# KiCad board gmsl-serializer.kicad_pcb
title: GMSL Serializer; date: 2024-11-27; rev: 1.1.1; company: Antmicro Ltd; note: www.antmicro.com
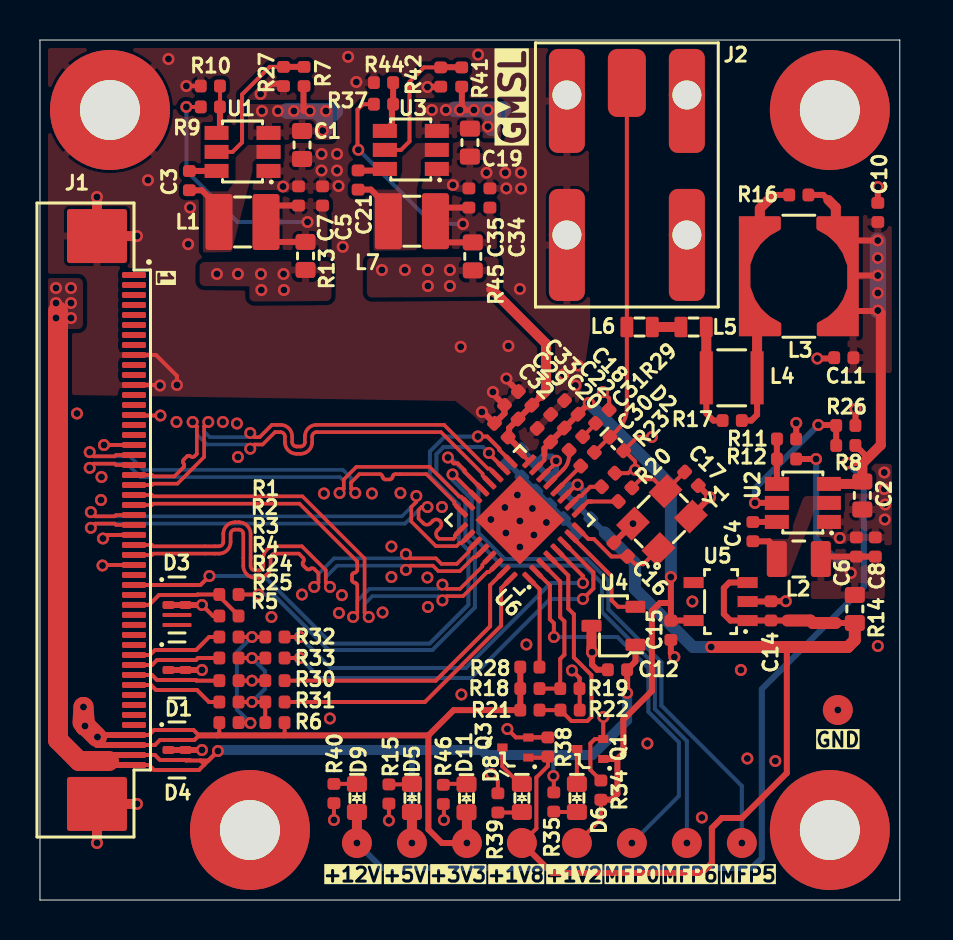
[diagram p0: board, top side]
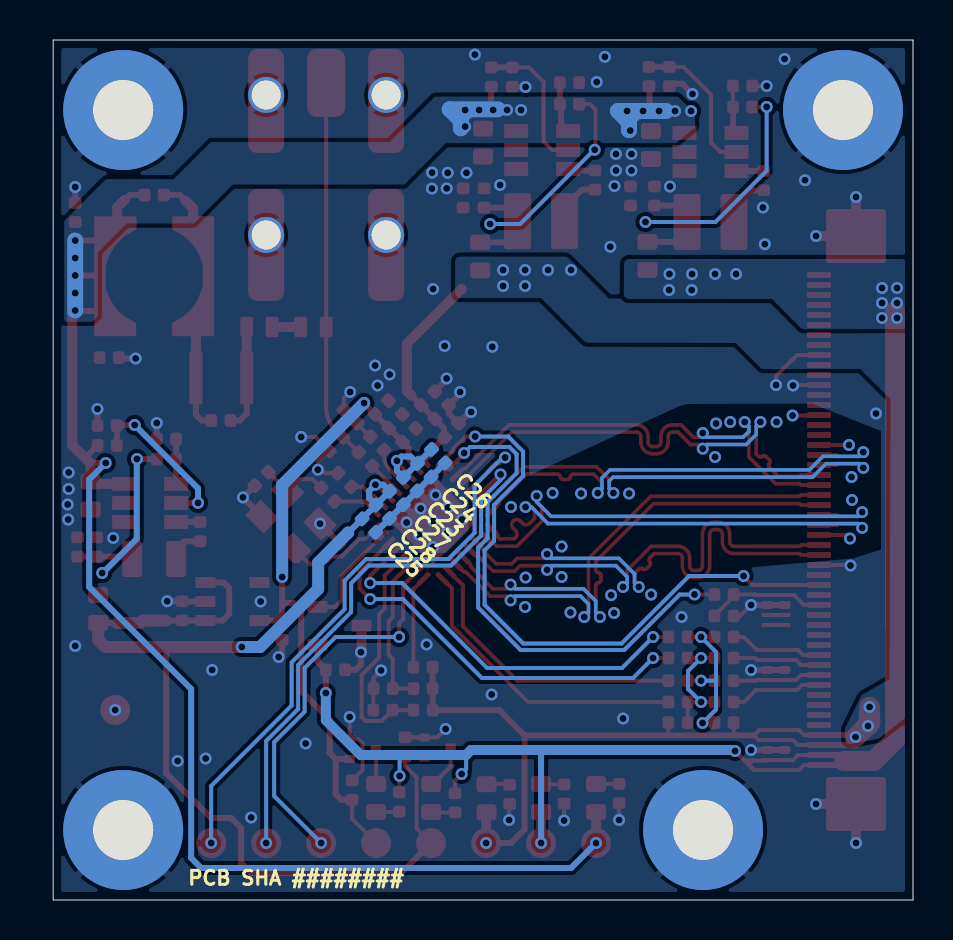
[diagram p1: board, bottom side, seen from below]

Outline 43 x 43 mm; copper layers: Top, In1.Cu (plane), In2.Cu (plane), Bottom. Coordinates in mm from the lower left corner of the outline.
Outline path: 0,43 43,43 43,0 0,0 0,43
Stack: Top 0.018mm / dielectric 0.12mm IS400 PR2116 er 4.06 / In1.Cu 0.035mm / dielectric 1.2mm FR-4 er 4.35 / In2.Cu 0.035mm / dielectric 0.12mm IS400 PR2116 er 4.06 / Bottom 0.018mm

## Placement (name value [footprint] x y rotation side)
C1  C_10u_25V_0603  [C_0603_1608Metric]  13.1 37.75 90 top
C2  C_10u_25V_0603  [C_0603_1608Metric]  41.12 20.22 90 top
C3  C_220n_0402  [C_0402_1005Metric]  7.47 35.97 270 top
C4  C_100n_0402  [C_0402_1005Metric]  35.65 18.42 270 top
C5  C_22u_0402  [C_0402_1005Metric]  14.13 35.2 270 top
C6  C_22u_0402  [C_0402_1005Metric]  40.82 17.65 270 top
C7  C_22u_0402  [C_0402_1005Metric]  12.93 35.2 270 top
C8  C_22u_0402  [C_0402_1005Metric]  41.78 17.65 270 top
C10  C_100n_0402  [C_0402_1005Metric]  41.9 34.38 270 top
C11  C_10n_0402  [C_0402_1005Metric]  40.2 27.11 0 top
C12  C_1u_16V_0402  [C_0402_1005Metric]  28.88 11.51 0 top  (not fitted)
C14  C_1u_16V_0402  [C_0402_1005Metric]  36.56 14.46 270 top
C15  C_1u_16V_0402  [C_0402_1005Metric]  31.55 13.49 90 top
C16  C_33p_0402  [C_0402_1005Metric]  29.04 17.52 315 top
C17  C_33p_0402  [C_0402_1005Metric]  32.58 21.06 135 top
C18  C_10u_0402  [C_0402_1005Metric]  26.57 24.63 315 top
C19  C_10u_25V_0603  [C_0603_1608Metric]  21.5 37.87 90 top
C20  C_100n_0402  [C_0402_1005Metric]  25.2 23.24 315 top
C21  C_220n_0402  [C_0402_1005Metric]  15.91 36 270 top
C22  C_100n_0402  [C_0402_1005Metric]  25.88 23.94 315 top
C23  C_10n_0402  [C_0402_1005Metric]  25.14 20.79 45 bottom
C24  C_100n_0402  [C_0402_1005Metric]  24.44 21.49 45 bottom
C25  C_10u_0402  [C_0402_1005Metric]  27.21 18.72 45 bottom
C26  C_10u_0402  [C_0402_1005Metric]  23.74 22.19 45 bottom
C27  C_10n_0402  [C_0402_1005Metric]  25.83 20.1 45 bottom
C28  C_10n_0402  [C_0402_1005Metric]  26.52 19.41 45 bottom
C29  C_10n_0402  [C_0402_1005Metric]  23.57 24.39 315 top
C30  C_100n_0402  [C_0402_1005Metric]  27.38 22.04 45 top
C31  C_100n_0402  [C_0402_1005Metric]  26.8 22.82 45 top
C32  C_10n_0402  [C_0402_1005Metric]  23.07 23.49 315 top
C33  C_10u_0402  [C_0402_1005Metric]  24.26 25.08 315 top
C34  C_22u_0402  [C_0402_1005Metric]  22.5 35.1 270 top
C35  C_22u_0402  [C_0402_1005Metric]  21.45 35.1 270 top
D1  PESD4USB5U-TTS  [DFN-10_2.5x1mm]  6.85 11.5 0 top
D2  AXGD10402KR  [D_0402_1005Metric]  28.85 22.8 315 top
D3  PESD4USB5U-TTS  [DFN-10_2.5x1mm]  6.85 14.75 0 top
D4  PESD4USB5U-TTS  [DFN-10_2.5x1mm]  6.85 7.5 0 top
D5  LED_G_0603_LTST-C190GKT  [LED_0603_1608Metric_G]  18.6 5.1 270 top
D6  LED_G_0603_LTST-C190GKT  [LED_0603_1608Metric_G]  26.85 5.1 270 top
D8  LED_G_0603_LTST-C190GKT  [LED_0603_1608Metric_G]  24.1 5.1 270 top
D9  LED_G_0603_LTST-C190GKT  [LED_0603_1608Metric_G]  15.85 5.1 270 top
D11  LED_G_0603_LTST-C190GKT  [LED_0603_1608Metric_G]  21.33 5.09 270 top
J1  Conn_FFC_WE_68715014022  [Conn_FFC_WE_68715014x22]  2.55 19 270 top
J2  -  [Conn_FAKRA_59S2AQ-40MT5-Z_1]  29.35 40.85 0 top
L1  L_3u3_3.1A_Bourns-SRP3212A  [L_Bourns-SRP3212A]  10.13 33.9 0 top
L2  L_1u_2.6A_0806  [L_0806_2016Metric]  37.95 17.05 0 top
L3  L_22u_1.12A_Coilcraft-MSS6132T  [L_Coilcraft-MSS6132T]  37.95 31.19 180 top
L4  L_6u8_1A_Coilcraft-1210POC  [L_Coilcraft-1210POC]  34.59 26.11 180 top
L5  L_470n_1A_Coilcraft-PFL1609  [L_Coilcraft-PFL1609]  32.69 28.65 180 top
L6  L_470n_1A_Coilcraft-PFL1609  [L_Coilcraft-PFL1609]  29.98 28.65 180 top
L7  L_3u3_3.1A_Bourns-SRP3212A  [L_Bourns-SRP3212A]  18.6 33.94 0 top
MP1  -  [MP_Pad6mm_Drill3mm]  39.5 3.5 0 top
MP2  -  [MP_Pad6mm_Drill3mm]  39.5 39.5 0 top
MP3  -  [MP_Pad6mm_Drill3mm]  10.5 3.5 0 top
MP4  -  [MP_Pad6mm_Drill3mm]  3.5 39.5 0 top
N1  antmicro_logo  [antmicro-logo_scaled_12mm_mask]  12.97 28.19 0 top
Q1  DMG1012T-7  [SOT-523]  27.52 7.55 90 top
Q3  DMG1012T-7  [SOT-523]  23.78 7.62 90 top
R1  R_10k_0402  [R_0402_1005Metric]  9.45 15.28 0 top
R2  R_12k_0402  [R_0402_1005Metric]  9.45 14.2 180 top
R3  R_100R_0402  [R_0402_1005Metric]  9.45 13.15 0 top
R4  R_100R_0402  [R_0402_1005Metric]  9.45 12.1 0 top
R5  R_4k7_0402  [R_0402_1005Metric]  9.45 8.87 180 top
R6  R_4k7_0402  [R_0402_1005Metric]  11.75 8.87 0 top
R7  R_10k_0402  [R_0402_1005Metric]  13.2 41.17 270 top
R8  R_10k_0402  [R_0402_1005Metric]  40.3 22.72 0 top
R9  R_52k3_0402  [R_0402_1005Metric]  8.52 39.65 180 top
R10  R_10k_0402  [R_0402_1005Metric]  8.52 40.7 0 top
R11  R_12k4_0402  [R_0402_1005Metric]  37.34 22.05 0 top
R12  R_10k_0402  [R_0402_1005Metric]  37.34 23.05 180 top
R13  R_0R_22.4A_0603  [R_0603_1608Metric]  13.28 32.2 270 top
R14  R_0R_22.4A_0603  [R_0603_1608Metric]  40.75 14.55 270 top
R15  R_470R_0402  [R_0402_1005Metric]  17.45 5.3 90 top
R16  R_5k1_0402  [R_0402_1005Metric]  37.95 35.25 180 top
R17  R_5k1_0402  [R_0402_1005Metric]  34.62 23.97 180 top
R18  R_80k6_0402  [R_0402_1005Metric]  24.5 10.57 180 top  (not fitted)
R19  R_10k_0402  [R_0402_1005Metric]  26.5 10.57 180 top
R20  R_0R_0402  [R_0402_1005Metric]  29.26 20.27 225 top
R21  R_10k_0402  [R_0402_1005Metric]  24.5 9.49 180 top
R22  R_10k_0402  [R_0402_1005Metric]  26.51 9.49 180 top  (not fitted)
R23  R_402R_0402  [R_0402_1005Metric]  28.42 21 225 top
R24  R_100R_0402  [R_0402_1005Metric]  9.45 10.97 0 top
R25  R_100R_0402  [R_0402_1005Metric]  9.45 9.9 0 top
R26  R_10k_0402  [R_0402_1005Metric]  40.3 23.72 180 top
R27  R_10k_0402  [R_0402_1005Metric]  12.18 41.17 90 top
R28  R_10k_0402  [R_0402_1005Metric]  24.5 11.64 180 top
R29  R_51R_0402  [R_0402_1005Metric]  28.12 24.17 225 top
R30  R_0R_0402  [R_0402_1005Metric]  11.75 10.97 0 top  (not fitted)
R31  R_0R_0402  [R_0402_1005Metric]  11.75 9.9 0 top  (not fitted)
R32  R_0R_0402  [R_0402_1005Metric]  11.75 13.15 0 top
R33  R_0R_0402  [R_0402_1005Metric]  11.75 12.1 0 top
R34  R_100k_0402  [R_0402_1005Metric]  28.05 5.49 270 top
R35  R_470R_0402  [R_0402_1005Metric]  25.69 4.9 90 top
R37  R_31k6_0402  [R_0402_1005Metric]  17.18 39.79 180 top
R38  R_100k_0402  [R_0402_1005Metric]  25.4 7.65 270 top
R39  R_470R_0402  [R_0402_1005Metric]  22.9 4.85 90 top
R40  R_1k65_0402  [R_0402_1005Metric]  14.7 5.32 90 top
R41  R_10k_0402  [R_0402_1005Metric]  21.09 41.15 270 top
R42  R_10k_0402  [R_0402_1005Metric]  20.04 41.15 90 top
R44  R_10k_0402  [R_0402_1005Metric]  17.18 40.87 0 top
R45  R_0R_22.4A_0603  [R_0603_1608Metric]  21.64 32.18 270 top
R46  R_200R_0402  [R_0402_1005Metric]  20.17 5.28 90 top
TP1  TP_1.5mm_SMD  [TP_SMD_1.5mm]  18.6 2.85 0 top
TP2  TP_1.5mm_SMD  [TP_SMD_1.5mm]  24.1 2.85 0 top
TP3  TP_1.5mm_SMD  [TP_SMD_1.5mm]  15.85 2.85 180 top
TP4  TP_1.5mm_SMD  [TP_SMD_1.5mm]  21.35 2.85 0 top
TP5  TP_1.5mm_SMD  [TP_SMD_1.5mm]  26.85 2.85 0 top
TP6  TP_1.5mm_SMD  [TP_SMD_1.5mm]  29.6 2.85 0 top
TP7  TP_1.5mm_SMD  [TP_SMD_1.5mm]  35.1 2.85 0 top
TP8  TP_1.5mm_SMD  [TP_SMD_1.5mm]  32.35 2.85 0 top
TP9  TP_1.5mm_SMD  [TP_SMD_1.5mm]  39.9 9.5 0 top
U1  AP62301_TSOT  [TSOT23-6]  10.13 37.4 180 top
U2  AP62301_TSOT  [TSOT23-6]  38.15 19.85 180 top
U3  AP62301_TSOT  [TSOT23-6]  18.54 37.5 180 top
U4  REF3012AIDBZT  [SOT-23-3]  28.68 13.71 180 top  (not fitted)
U5  TLV73312PDBVT  [SOT-23-5]  34.04 14.92 180 top
U6  MAX96717GTJ_VY+  [TQFN-32-1EP_5x5mm_P0.5mm]  24 19 135 top
Y1  Resonator_25MHz_ABM8G  [Resonator_SMD_Abracon_ABM8G_3.2x2.5mm]  31.04 19 45 top

## Library data of the parts
C1 = -: Datasheet: https://product.tdk.com/en/search/capacitor/ceramic/mlcc/info?part_no=C1608X5R1E106M080AC; Author: Antmicro; License: Apache-2.0; MPN: C1608X5R1E106M080AC; Manufacturer: TDK; Val: 10u; Voltage: 25V; Field11: Author: Antmicro; Field13: License: Apache-2.0
C2 = -: Datasheet: https://product.tdk.com/en/search/capacitor/ceramic/mlcc/info?part_no=C1608X5R1E106M080AC; Author: Antmicro; License: Apache-2.0; MPN: C1608X5R1E106M080AC; Manufacturer: TDK; Val: 10u; Voltage: 25V; Field11: Author: Antmicro; Field12: License: Apache-2.0
C3 = -: Datasheet: https://www.yageo.com/en/Chart/Download/pdf/CC0402KRX5R6BB224; Author: Antmicro; License: Apache-2.0; MPN: CC0402KRX5R6BB224; Manufacturer: YAGEO; Val: 220n; Field11: Author: Antmicro; Field13: License: Apache-2.0
C4 C10 = -: Datasheet: https://www.murata.com/products/productdetail?partno=GRM155R61H104KE14%23; Author: Antmicro; Dielectric: X5R; License: Apache-2.0; MPN: GRM155R61H104KE14D; Manufacturer: Murata; Val: 100n; Voltage: 50V; Field11: Author: Antmicro; Field13: License: Apache-2.0
C5 = -: Datasheet: https://www.murata.com/products/productdetail?partno=GRM158R60J226ME01%23; Author: Antmicro; License: Apache-2.0; MPN: GRM158R60J226ME01D; Manufacturer: Murata; Val: 22u; Field11: License: Apache-2.0; Field12: Author: Antmicro
C6 C8 = -: Datasheet: https://www.murata.com/products/productdetail?partno=GRM158R60J226ME01%23; Author: Antmicro; License: Apache-2.0; MPN: GRM158R60J226ME01D; Manufacturer: Murata; Val: 22u; Field11: License: Apache-2.0; Field13: Author: Antmicro
C7 = -: Datasheet: https://www.murata.com/products/productdetail?partno=GRM158R60J226ME01%23; Author: Antmicro; License: Apache-2.0; MPN: GRM158R60J226ME01D; Manufacturer: Murata; Val: 22u; Field11: Author: Antmicro; Field12: License: Apache-2.0
C11 C29 = -: Datasheet: https://www.murata.com/products/productdetail?partno=GRM155R71H103KA88%23; Author: Antmicro; Dielectric: X7R; License: Apache-2.0; MPN: GRM155R71H103KA88D; Manufacturer: Murata; Val: 10n; Voltage: 50V; Field11: License: Apache-2.0; Field13: Author: Antmicro
C12 C15 = -: Datasheet: https://www.kemet.com/en/us/capacitors/product/C0402C105M4PACTU.html; Author: Antmicro; License: Apache-2.0; MPN: C0402C105M4PACTU; Manufacturer: KEMET; Val: 1u; Voltage: 16V; Field12: License: Apache-2.0; Field13: Author: Antmicro
C14 = -: Datasheet: https://www.kemet.com/en/us/capacitors/product/C0402C105M4PACTU.html; Author: Antmicro; License: Apache-2.0; MPN: C0402C105M4PACTU; Manufacturer: KEMET; Val: 1u; Voltage: 16V; Field12: Author: Antmicro; Field13: License: Apache-2.0
C16 = -: Datasheet: https://spicat.kyocera-avx.com/product/mlcc/chartview/04025A330FAT2A/; Author: Antmicro; License: Apache-2.0; MPN: 04025A330FAT2A; Manufacturer: KYOCERA AVX; Val: 33p; Field11: License: Apache-2.0; Field13: Author: Antmicro
C17 = -: Datasheet: https://spicat.kyocera-avx.com/product/mlcc/chartview/04025A330FAT2A/; Author: Antmicro; License: Apache-2.0; MPN: 04025A330FAT2A; Manufacturer: KYOCERA AVX; Val: 33p; Field11: Author: Antmicro; Field12: License: Apache-2.0
C18 C26 C33 = -: Datasheet: https://www.yageo.com/en/Chart/Download/pdf/CC0402MRX5R5BB106; Author: Antmicro; License: Apache-2.0; MPN: CC0402MRX5R5BB106; Manufacturer: YAGEO; Val: 10u; Field12: License: Apache-2.0; Field13: Author: Antmicro
C19 = -: Datasheet: https://product.tdk.com/en/search/capacitor/ceramic/mlcc/info?part_no=C1608X5R1E106M080AC; MPN: C1608X5R1E106M080AC; Manufacturer: TDK; License: Apache-2.0; Author: Antmicro; Val: 10u; Voltage: 25V; Field11: Author: Antmicro; Field12: License: Apache-2.0
C20 C22 C24 = -: Datasheet: https://www.murata.com/products/productdetail?partno=GRM155R61H104KE14%23; Author: Antmicro; Dielectric: X5R; License: Apache-2.0; MPN: GRM155R61H104KE14D; Manufacturer: Murata; Val: 100n; Voltage: 50V; Field11: Author: Antmicro; Field12: License: Apache-2.0
C21 = -: Datasheet: https://www.yageo.com/en/Chart/Download/pdf/CC0402KRX5R6BB224; MPN: CC0402KRX5R6BB224; Manufacturer: YAGEO; License: Apache-2.0; Author: Antmicro; Val: 220n; Field11: License: Apache-2.0; Field13: Author: Antmicro
C23 = -: Datasheet: https://www.murata.com/products/productdetail?partno=GRM155R71H103KA88%23; Author: Antmicro; Dielectric: X7R; License: Apache-2.0; MPN: GRM155R71H103KA88D; Manufacturer: Murata; Val: 10n; Voltage: 50V; Field12: Author: Antmicro; Field13: License: Apache-2.0
C25 = -: Datasheet: https://www.yageo.com/en/Chart/Download/pdf/CC0402MRX5R5BB106; Author: Antmicro; License: Apache-2.0; MPN: CC0402MRX5R5BB106; Manufacturer: YAGEO; Val: 10u; Field12: Author: Antmicro; Field13: License: Apache-2.0
C27 C28 = -: Datasheet: https://www.murata.com/products/productdetail?partno=GRM155R71H103KA88%23; Author: Antmicro; Dielectric: X7R; License: Apache-2.0; MPN: GRM155R71H103KA88D; Manufacturer: Murata; Val: 10n; Voltage: 50V; Field12: License: Apache-2.0; Field13: Author: Antmicro
C30 C31 = -: Datasheet: https://www.murata.com/products/productdetail?partno=GRM155R61H104KE14%23; Author: Antmicro; Dielectric: X5R; License: Apache-2.0; MPN: GRM155R61H104KE14D; Manufacturer: Murata; Val: 100n; Voltage: 50V; Field12: Author: Antmicro; Field13: License: Apache-2.0
C32 = -: Datasheet: https://www.murata.com/products/productdetail?partno=GRM155R71H103KA88%23; Author: Antmicro; Dielectric: X7R; License: Apache-2.0; MPN: GRM155R71H103KA88D; Manufacturer: Murata; Val: 10n; Voltage: 50V; Field11: License: Apache-2.0; Field12: Author: Antmicro
C34 = -: Datasheet: https://www.murata.com/products/productdetail?partno=GRM158R60J226ME01%23; MPN: GRM158R60J226ME01D; Manufacturer: Murata; License: Apache-2.0; Author: Antmicro; Val: 22u; Field11: Author: Antmicro; Field12: License: Apache-2.0
C35 = -: Datasheet: https://www.murata.com/products/productdetail?partno=GRM158R60J226ME01%23; MPN: GRM158R60J226ME01D; Manufacturer: Murata; License: Apache-2.0; Author: Antmicro; Val: 22u; Field11: License: Apache-2.0; Field13: Author: Antmicro
D1 D4 = -: Datasheet: https://assets.nexperia.com/documents/data-sheet/PESD4USB5U-TTS.pdf; Author: Antmicro; License: Apache-2.0; Manufacturer: Nexperia; Field8: License: Apache-2.0; Field9: Author: Antmicro
D2 = -: Datasheet: https://www.littelfuse.com/media?resourcetype=datasheets&itemid=020b2bf2-064c-4ff1-a898-b4ec805b2fea&filename=littelfuse-xtremeguard-axgd-datasheet; Author: Antmicro; License: Apache-2.0; Manufacturer: Littelfuse; Field8: Author: Antmicro; Field10: License: Apache-2.0
D3 = -: Datasheet: https://assets.nexperia.com/documents/data-sheet/PESD4USB5U-TTS.pdf; Author: Antmicro; License: Apache-2.0; Manufacturer: Nexperia; Field8: License: Apache-2.0; Field10: Author: Antmicro
D5 D6 D8 = -: Datasheet: https://media.digikey.com/pdf/Data%20Sheets/Lite-On%20PDFs/LTST-C190GKT.pdf; Author: Antmicro; Color: Green; License: Apache-2.0; MPN: LTST-C190GKT; Manufacturer: Lite-On; VSD_class: LED; Field10: License: Apache-2.0; Field12: Author: Antmicro
D9 = -: Datasheet: https://media.digikey.com/pdf/Data%20Sheets/Lite-On%20PDFs/LTST-C190GKT.pdf; Author: Antmicro; Color: Green; License: Apache-2.0; MPN: LTST-C190GKT; Manufacturer: Lite-On; VSD_class: LED; Field10: Author: Antmicro; Field12: License: Apache-2.0
D11 = -: Datasheet: https://media.digikey.com/pdf/Data%20Sheets/Lite-On%20PDFs/LTST-C190GKT.pdf; MPN: LTST-C190GKT; Manufacturer: Lite-On; Author: Antmicro; License: Apache-2.0; VSD_class: LED; Color: Green; Field10: License: Apache-2.0; Field12: Author: Antmicro
J1 = -: Datasheet: https://www.we-online.com/components/products/datasheet/68715014022.pdf; Author: Antmicro; License: Apache-2.0; MPN: 68715014022; Manufacturer: Würth Elektronik; Field8: License: Apache-2.0; Field10: Author: Antmicro
J2 = -: Datasheet: https://products.rosenberger.com/radio-frequency/connectors/288881/59s2aq-40mt5-z-1-right-angle-plug-pcb-w.-housing; Author: Antmicro; License: Apache-2.0; MPN: 59S2AQ-40MT5-Z_1; Manufacturer: Rosenberger; Field8: Author: Antmicro; Field9: License: Apache-2.0; ki_fp_filters: *BNC* *SMA* *SMB* *SMC* *Cinch*
L1 = -: Datasheet: https://www.mouser.com/datasheet/2/54/SRP3212A-3011944.pdf; Author: Antmicro; IMax: 3.1 A; ISat: 3.4 A; License: Apache-2.0; MPN: SRP3212-3R3M; Manufacturer: Bourns; Size: 3.2x2.5; Val: 3u3/3.1A; Field13: Author: Antmicro; Field14: License: Apache-2.0
L2 = -: Datasheet: https://www.bourns.com/docs/Product-Datasheets/SRP2010.pdf; Author: Antmicro; IMax: 2.6 A; ISat: 2.9 A; License: Apache-2.0; MPN: SRP2010-1R0M; Manufacturer: Bourns; Size: 2.0x1.6; Val: 1u/2.6A; Field12: Author: Antmicro; Field14: License: Apache-2.0
L3 = -: Datasheet: https://www.coilcraft.com/getmedia/d035c9b3-191d-46aa-ab3f-5c1a849157c1/mss6132t.pdf; Author: Antmicro; IMax: 1.45A; ISat: 1.12A; License: Apache-2.0; MPN: MSS6132T-223; Manufacturer: Coilcraft; Size: 6.1x6.1; Val: 22u/1.12A; Field12: Author: Antmicro; Field13: License: Apache-2.0
L4 = -: Datasheet: https://www.coilcraft.com/getmedia/5e8de018-68c5-4442-84ce-d5212c44660c/1210poc.pdf; Author: Antmicro; IMax: 1.36 A; ISat: 1 A; License: Apache-2.0; MPN: 1210POC-682; Manufacturer: Coilcraft; Size: 2.67x3.3; Val: 6u8/1A; Field13: License: Apache-2.0; Field14: Author: Antmicro
L5 = -: Datasheet: https://www.coilcraft.com/getmedia/2f4cd442-d64d-4413-a518-12fcfd03318d/pfl1609.pdf; Author: Antmicro; IMax: 1 A; ISat: 0.99 A; License: Apache-2.0; MPN: PFL1609-471; Manufacturer: Coilcraft; Size: 1.07x1.8; Val: 470n/0.99A; Field12: License: Apache-2.0; Field14: Author: Antmicro
L6 = -: Datasheet: https://www.coilcraft.com/getmedia/2f4cd442-d64d-4413-a518-12fcfd03318d/pfl1609.pdf; Author: Antmicro; IMax: 1 A; ISat: 0.99 A; License: Apache-2.0; MPN: PFL1609-471; Manufacturer: Coilcraft; Size: 1.07x1.8; Val: 470n/0.99A; Field13: Author: Antmicro; Field14: License: Apache-2.0
L7 = -: Datasheet: https://www.mouser.com/datasheet/2/54/SRP3212A-3011944.pdf; Val: 3u3/3.1A; Manufacturer: Bourns; MPN: SRP3212-3R3M; ISat: 3.4 A; IMax: 3.1 A; Size: 3.2x2.5; Author: Antmicro; License: Apache-2.0; Field13: Author: Antmicro; Field14: License: Apache-2.0
MP1 = -: Author: Antmicro; License: Apache-2.0; Field7: License: Apache-2.0; Field8: Author: Antmicro
MP2 MP3 = -: Author: Antmicro; License: Apache-2.0; Field6: License: Apache-2.0; Field7: Author: Antmicro
MP4 = -: Author: Antmicro; License: Apache-2.0; Field7: Author: Antmicro; Field8: License: Apache-2.0
N1 = -: Author: Antmicro; License: Apache-2.0; Field9: G***; Field11: License: Apache-2.0; Field12: Author: Antmicro
Q1 Q3 = -: Datasheet: https://www.diodes.com/assets/Datasheets/ds31783.pdf; Author: Antmicro; License: Apache-2.0; Manufacturer: Diodes Incorporated; Field9: Author: Antmicro; Field11: License: Apache-2.0
R1 R19 = -: Datasheet: https://www.bourns.com/docs/product-datasheets/cr.pdf; Author: Antmicro; License: Apache-2.0; MPN: CR0402-FX-1002GLF; Manufacturer: Bourns; Tolerance: 1%; Val: 10k; Field10: License: Apache-2.0; Field11: Author: Antmicro
R2 = -: Datasheet: https://www.bourns.com/docs/product-datasheets/cr.pdf; Author: Antmicro; License: Apache-2.0; MPN: CR0402-FX-1202GLF; Manufacturer: Bourns; Tolerance: 1%; Val: 12k; Field10: Author: Antmicro; Field11: License: Apache-2.0
R3 = -: Datasheet: https://www.bourns.com/docs/product-datasheets/cr.pdf; Author: Antmicro; License: Apache-2.0; MPN: CR0402-FX-1000GLF; Manufacturer: Bourns; Tolerance: 1%; Val: 100R; Field11: Author: Antmicro; Field12: License: Apache-2.0
R4 = -: Datasheet: https://www.bourns.com/docs/product-datasheets/cr.pdf; Author: Antmicro; License: Apache-2.0; MPN: CR0402-FX-1000GLF; Manufacturer: Bourns; Tolerance: 1%; Val: 100R; Field11: License: Apache-2.0; Field12: Author: Antmicro
R5 R6 = -: Datasheet: https://www.bourns.com/docs/product-datasheets/cr.pdf; Author: Antmicro; License: Apache-2.0; MPN: CR0402-FX-4701GLF; Manufacturer: Bourns; Tolerance: 1%; Val: 4k7; Field10: Author: Antmicro; Field11: License: Apache-2.0
R7 R8 R28 = -: Datasheet: https://www.bourns.com/docs/product-datasheets/cr.pdf; Author: Antmicro; License: Apache-2.0; MPN: CR0402-FX-1002GLF; Manufacturer: Bourns; Tolerance: 1%; Val: 10k; Field11: License: Apache-2.0; Field12: Author: Antmicro
R9 = -: Datasheet: https://www.bourns.com/docs/product-datasheets/cr.pdf; Author: Antmicro; License: Apache-2.0; MPN: CR0402-FX-5232GLF; Manufacturer: Bourns; Tolerance: 1%; Val: 52k3; Field11: Author: Antmicro; Field12: License: Apache-2.0
R10 R12 R26 R27 = -: Datasheet: https://www.bourns.com/docs/product-datasheets/cr.pdf; Author: Antmicro; License: Apache-2.0; MPN: CR0402-FX-1002GLF; Manufacturer: Bourns; Tolerance: 1%; Val: 10k; Field10: License: Apache-2.0; Field12: Author: Antmicro
R11 = -: Datasheet: https://www.bourns.com/docs/product-datasheets/cr.pdf; Author: Antmicro; License: Apache-2.0; MPN: CR0402-FX-1242GLF; Manufacturer: Bourns; Tolerance: 1%; Val: 12k4; Field10: License: Apache-2.0; Field11: Author: Antmicro
R13 = -: Datasheet: https://fscdn.rohm.com/en/products/databook/datasheet/passive/resistor/chip_resistor/pmr-jpw-e.pdf; Author: Antmicro; License: Apache-2.0; MPN: PMR03EZPJ000; Manufacturer: ROHM Semiconductor; Max. Curr.: 22.4A; Tolerance: template_tolerance; Val: 0R; Field11: License: Apache-2.0; Field12: Author: Antmicro
R14 = -: Datasheet: https://fscdn.rohm.com/en/products/databook/datasheet/passive/resistor/chip_resistor/pmr-jpw-e.pdf; Author: Antmicro; License: Apache-2.0; MPN: PMR03EZPJ000; Manufacturer: ROHM Semiconductor; Max. Curr.: 22.4A; Tolerance: template_tolerance; Val: 0R; Field12: License: Apache-2.0; Field13: Author: Antmicro
R15 = -: Datasheet: https://www.bourns.com/docs/product-datasheets/cr.pdf; Author: Antmicro; License: Apache-2.0; MPN: CR0402-FX-4700GLF; Manufacturer: Bourns; Tolerance: 1%; Val: 470R; Field10: License: Apache-2.0; Field11: Author: Antmicro
R16 = -: Datasheet: https://www.bourns.com/docs/product-datasheets/cr.pdf; Author: Antmicro; License: Apache-2.0; MPN: CR0402-FX-5101GLF; Manufacturer: Bourns; Tolerance: 1%; Val: 5k1; Field11: Author: Antmicro; Field12: License: Apache-2.0
R17 = -: Datasheet: https://www.bourns.com/docs/product-datasheets/cr.pdf; Author: Antmicro; License: Apache-2.0; MPN: CR0402-FX-5101GLF; Manufacturer: Bourns; Tolerance: 1%; Val: 5k1; Field10: License: Apache-2.0; Field12: Author: Antmicro
R18 = -: Datasheet: https://www.bourns.com/docs/product-datasheets/cr.pdf; Author: Antmicro; License: Apache-2.0; MPN: CR0402-FX-8062GLF; Manufacturer: Bourns; Tolerance: 1%; Val: 80k6; Field10: License: Apache-2.0; Field12: Author: Antmicro
R20 = -: Datasheet: https://industrial.panasonic.com/cdbs/www-data/pdf/RDA0000/AOA0000C301.pdf; Author: Antmicro; Current: 1A; License: Apache-2.0; MPN: ERJ2GE0R00X; Manufacturer: Panasonic; Val: 0R; Field12: License: Apache-2.0; Field13: Author: Antmicro
R21 = -: Datasheet: https://www.bourns.com/docs/product-datasheets/cr.pdf; Author: Antmicro; License: Apache-2.0; MPN: CR0402-FX-1002GLF; Manufacturer: Bourns; Tolerance: 1%; Val: 10k; Field10: Author: Antmicro; Field12: License: Apache-2.0
R22 = -: Datasheet: https://www.bourns.com/docs/product-datasheets/cr.pdf; Author: Antmicro; License: Apache-2.0; MPN: CR0402-FX-1002GLF; Manufacturer: Bourns; Tolerance: 1%; Val: 10k; Field10: Author: Antmicro; Field11: License: Apache-2.0
R23 = -: Datasheet: https://www.mouser.com/datasheet/2/54/cr-1858361.pdf; Author: Antmicro; License: Apache-2.0; MPN: CR0402-FX-4020GLF; Manufacturer: Bourns; Tolerance: 1%; Val: 402R; Field11: License: Apache-2.0; Field12: Author: Antmicro
R24 = -: Datasheet: https://www.bourns.com/docs/product-datasheets/cr.pdf; Author: Antmicro; License: Apache-2.0; MPN: CR0402-FX-1000GLF; Manufacturer: Bourns; Tolerance: 1%; Val: 100R; Field10: Author: Antmicro; Field12: License: Apache-2.0
R25 = -: Datasheet: https://www.bourns.com/docs/product-datasheets/cr.pdf; Author: Antmicro; License: Apache-2.0; MPN: CR0402-FX-1000GLF; Manufacturer: Bourns; Tolerance: 1%; Val: 100R; Field10: License: Apache-2.0; Field11: Author: Antmicro